# KiCad board ADHW.kicad_pcb (continued)
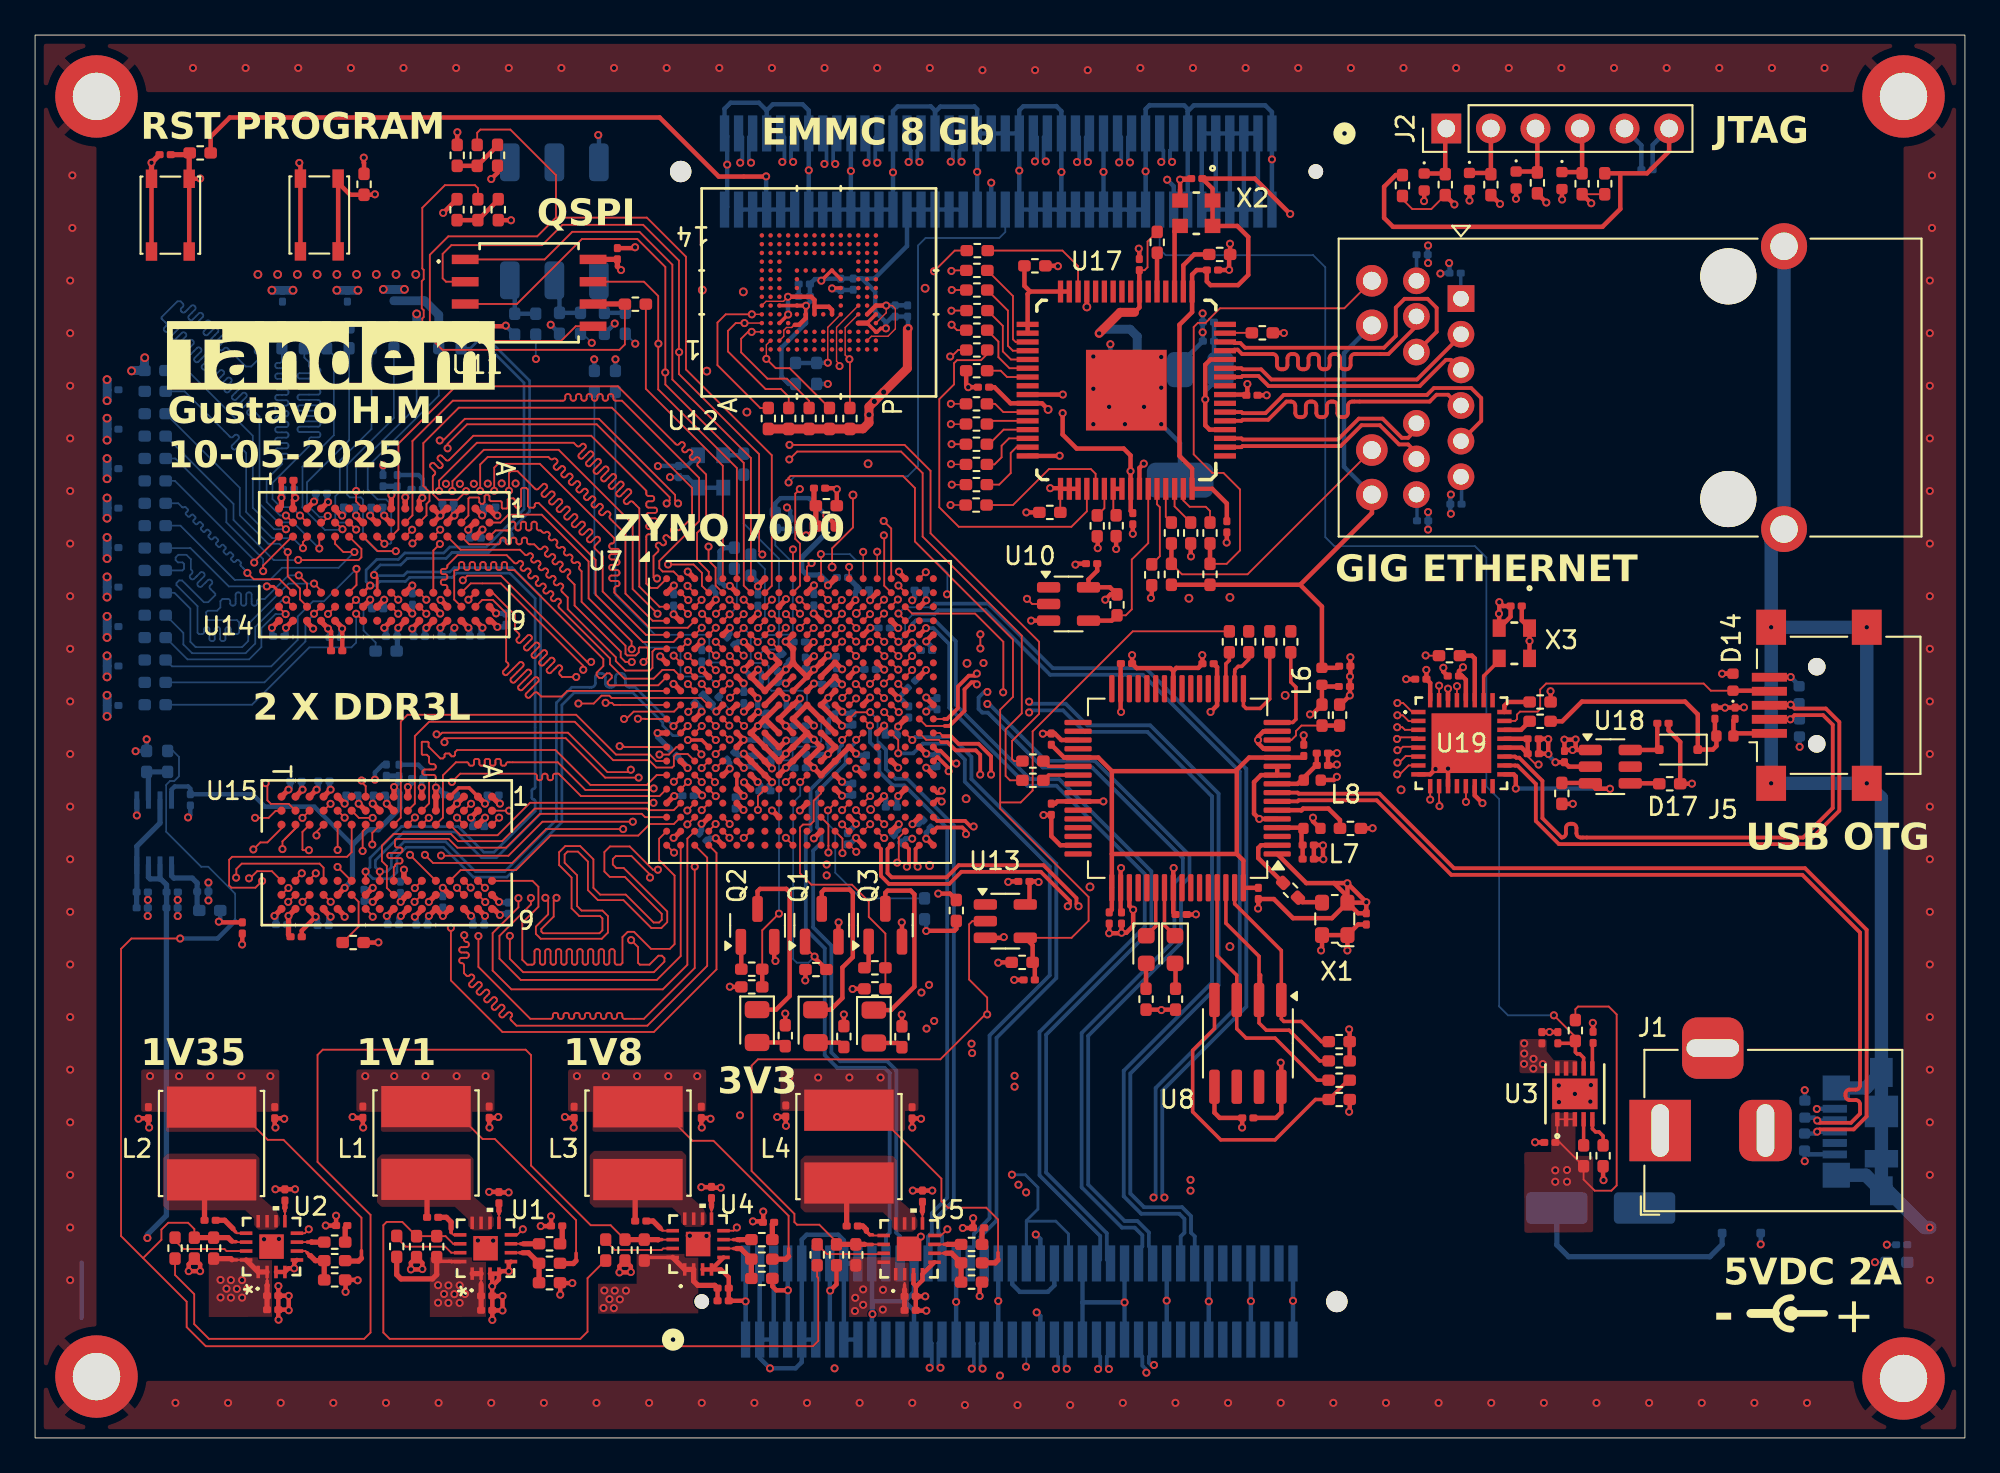
[diagram p0: board, top side]
## Routing (per net, layer and track width the routed paths; a pad name or vN(x,y) marks a point on that pad's centre or on a via; arc(x,y) is an arc through that point) (continued)
  In7.Cu w0.1: 16.89,30.53 v1(16.85,30.57) 16.85,31.88 16.63,32.1 16.63,32.71 16.07,33.27 16.07,33.71 15.17,34.61 14.92,34.61 14.17,35.36 13.63,35.36 12.15,36.84 12.15,40.33 15.44,43.62 15.44,46.53 15.9,46.99 v1(15.9,47)
  Bottom w0.1: R104.2 13.08,43.09 15.41,45.42 15.41,46.49 15.9,46.98 v1(15.9,47)
DDR_BA2: length 101.8
  Top w0.1: v1(39.59,43.02) 39.2,42.62 U7.J5
  Top w0.102: U14.M3 17.1,50.99 17.57,50.52 v1(18.2,50.52) ; v1(17.25,33.53) U15.M3
  In5.Cu w0.1: v1(39.59,43.02) 40.81,41.81 41.39,41.81 41.59,41.61 41.59,33.98 40.89,33.28 40.89,31.39 40.72,31.22 arc(40.63,31.18) 40.54,31.22 40.45,31.31 arc(40.37,31.35) 40.28,31.31 40.24,31.27 arc(40.2,31.18) 40.24,31.09 40.59,30.74 arc(40.63,30.65) 40.59,30.56 40.55,30.52 arc(40.46,30.49) 40.38,30.52 40.02,30.88 arc(39.93,30.91) 39.85,30.88 39.81,30.84 arc(39.77,30.75) 39.81,30.66 40.16,30.31 arc(40.2,30.22) 40.16,30.13 40.12,30.09 arc(40.03,30.05) 39.95,30.09 39.59,30.45 arc(39.5,30.48) 39.42,30.45 39.37,30.4 arc(39.34,30.32) 39.37,30.23 39.73,29.87 arc(39.77,29.79) 39.73,29.7 39.69,29.66 arc(39.6,29.62) 39.52,29.66 39.16,30.02 arc(39.07,30.05) 38.99,30.02 38.94,29.97 arc(38.91,29.89) 38.94,29.8 39.3,29.44 arc(39.34,29.36) 39.3,29.27 39.26,29.23 arc(39.17,29.19) 39.09,29.23 38.73,29.59 arc(38.64,29.62) 38.56,29.59 38.51,29.54 arc(38.48,29.46) 38.51,29.37 38.87,29.01 arc(38.91,28.93) 38.87,28.84 38.83,28.8 arc(38.74,28.76) 38.65,28.8 38.56,28.89 arc(38.48,28.93) 38.39,28.89 38.18,28.68 33.16,23.66 17.53,23.66 12.57,28.62 12.57,31.93 12.77,32.13 13.21,32.13 13.44,31.9 13.44,31.36 13.85,30.95 16.43,30.95 17.64,32.16 17.64,33.13 17.25,33.52 v1(17.25,33.53)
  In7.Cu w0.1: 18.3,50.52 v1(18.2,50.52) 18.52,50.52 21.1,47.94 21.1,41.1 17.24,37.24 17.24,36.67 17.12,36.55 16.64,36.55 16.34,36.25 16.34,35.68 17.25,34.77 v1(17.25,33.53)
  Bottom w0.1: R105.2 8.29,52.02 11.38,48.93 13.39,48.93 14.08,49.62 17.3,49.62 v1(18.2,50.52)
DDR_CK_N: length 90.4
  Top w0.102: U15.K7 18.85,31.77 18.84,31.78
  Top w0.153: U14.K7 18.7,48.21 v1(19.1,48.61) ; v1(18.84,32.3) 18.84,31.78 ; v1(37.2,40.6) U7.M2
  Bottom w0.153: v1(37.2,40.6) 36.65,40.05 36.35,40.05 35.78,40.62 35.78,40.79 34.08,42.49 30.72,42.49 30.03,41.8 30.03,35.12 26.89,31.98 24.98,31.98 23.28,33.68 21.16,33.68 20.62,33.14 20.62,32.26 20.25,31.89 19.27,31.89 18.86,32.3 v1(18.84,32.3) 19.09,32.54 19.09,33.07 20.89,34.87 24.11,34.87 25.58,33.4 26.16,33.4 28.5,35.74 28.5,36.32 arc(28.48,36.39) 28.41,36.41 arc(28.34,36.44) 28.31,36.51 28.31,36.92 arc(28.34,36.99) 28.41,37.01 arc(28.48,37.04) 28.5,37.11 28.5,47.88 27.06,49.32 24.02,49.32 23.77,49.07 21.34,49.07 21.11,48.84 19.65,48.84 19.42,48.61 v1(19.1,48.61) 18.87,48.84 18.87,49.49 19.48,50.1 20.71,50.1 21.08,50.47 23.3,50.47 23.64,50.81 25.72,50.81 27.87,52.96 27.87,60.17 25.45,62.58 25.26,62.58 24.82,62.14 R96.1
DDR_CK_P: length 91.1
  Top w0.102: U15.J7 19.64,31.78 19.65,31.79
  Top w0.153: U7.L2 v1(36.39,40.59) ; v1(19.65,32.3) 19.65,31.79 ; v1(19.32,49.21) 19.5,49.03 U14.J7
  Bottom w0.153: v1(36.39,40.59) 36.1,40.88 36.1,40.91 34.21,42.81 33.87,42.81 arc(33.71,42.87) 33.65,43.03 33.65,43.38 arc(33.58,43.54) 33.42,43.6 33.3,43.6 arc(33.14,43.54) 33.08,43.38 33.08,43.03 arc(33.01,42.87) 32.85,42.81 32.73,42.81 arc(32.57,42.87) 32.51,43.03 32.51,43.38 arc(32.44,43.54) 32.28,43.6 32.16,43.6 arc(32,43.54) 31.94,43.38 31.94,43.03 arc(31.87,42.87) 31.71,42.81 30.6,42.81 29.71,41.92 29.71,35.24 26.76,32.29 25.11,32.29 23.4,34 21.03,34 20.31,33.27 20.31,32.55 20.06,32.3 v1(19.65,32.3) 19.4,32.54 19.4,32.94 21.01,34.55 23.99,34.55 25.45,33.09 26.29,33.09 28.82,35.61 28.82,48 27.19,49.63 23.89,49.63 23.64,49.38 21.21,49.38 21.01,49.18 19.35,49.18 v1(19.32,49.21) 19.32,49.43 19.67,49.78 20.84,49.78 21.21,50.15 23.42,50.15 23.76,50.49 25.85,50.49 26.51,51.16 arc(26.63,51.21) 26.74,51.16 arc(26.86,51.11) 26.97,51.16 27.17,51.35 arc(27.21,51.47) 27.17,51.58 arc(27.12,51.7) 27.17,51.81 28.18,52.83 28.18,60.3 25.58,62.9 25.26,62.9 24.82,63.34 R96.2
DDR_CKE: length 87.3
  Top w0.1: v1(19.25,29.72) 19.25,29.77 U15.K9 ; 37.6,39.37 U7.N3 37.98,39.02 v1(37.98,38.98)
  Top w0.102: U14.K9 v1(18.3,47)
  In5.Cu w0.1: v1(19.25,29.72) 19.25,28.87 19.3,28.82 19.67,28.82 arc(19.75,28.86) 19.79,28.94 19.79,29.07 arc(19.83,29.16) 19.91,29.19 19.97,29.19 arc(20.06,29.16) 20.09,29.07 20.09,28.57 arc(20.13,28.48) 20.22,28.44 20.28,28.44 arc(20.36,28.48) 20.4,28.57 20.4,29.07 arc(20.44,29.16) 20.52,29.19 20.58,29.19 arc(20.67,29.16) 20.7,29.07 20.7,28.57 arc(20.74,28.48) 20.83,28.44 20.89,28.44 arc(20.97,28.48) 21.01,28.57 21.01,29.07 arc(21.04,29.16) 21.13,29.19 21.19,29.19 arc(21.28,29.16) 21.31,29.07 21.31,28.57 arc(21.35,28.48) 21.44,28.44 21.5,28.44 arc(21.58,28.48) 21.62,28.57 21.62,29.07 arc(21.65,29.16) 21.74,29.19 21.8,29.19 arc(21.89,29.16) 21.92,29.07 21.92,28.57 arc(21.96,28.48) 22.05,28.44 22.11,28.44 arc(22.19,28.48) 22.23,28.57 22.23,29.07 arc(22.26,29.16) 22.35,29.19 22.41,29.19 arc(22.5,29.16) 22.53,29.07 22.53,28.57 arc(22.57,28.48) 22.66,28.44 22.72,28.44 arc(22.8,28.48) 22.84,28.57 22.84,28.7 arc(22.87,28.78) 22.96,28.82 23.1,28.82 23.88,28.04 26.44,28.04 26.56,28.16 26.56,28.52 26.45,28.63 25.93,28.63 25.83,28.73 25.83,29.08 25.93,29.18 29.06,29.18 29.18,29.3 29.18,29.6 29.1,29.68 27.38,29.68 27.19,29.87 27.19,30.08 27.35,30.24 29.64,30.24 29.77,30.11 29.77,29.28 29.12,28.63 27.55,28.63 27.45,28.53 27.45,28.14 27.53,28.06 29.33,28.06 30.2,28.93 30.2,29.67 30.46,29.93 arc(30.5,30.02) 30.46,30.11 30.37,30.2 arc(30.34,30.28) 30.37,30.37 30.41,30.41 arc(30.5,30.45) 30.59,30.41 30.68,30.32 arc(30.77,30.29) 30.85,30.32 30.89,30.36 arc(30.93,30.45) 30.89,30.54 30.8,30.63 arc(30.77,30.72) 30.8,30.8 30.85,30.85 arc(30.93,30.88) 31.02,30.85 31.11,30.75 arc(31.2,30.72) 31.28,30.75 31.33,30.8 arc(31.36,30.88) 31.33,30.97 31.23,31.06 arc(31.2,31.15) 31.23,31.23 31.28,31.28 arc(31.36,31.31) 31.45,31.28 31.54,31.18 arc(31.63,31.15) 31.71,31.18 31.8,31.18 36.8,36.18 36.8,37.59 37.02,37.81 37.4,37.81 37.62,38.03 37.62,38.62 37.95,38.95 37.98,38.95 37.98,38.95 v1(37.98,38.98)
  In7.Cu w0.1: v1(18.3,47) 18.3,46.75 20.27,44.78 20.27,42.28 15.39,37.4 14.22,37.4 14.02,37.2 14.02,36.74 14.22,36.54 14.67,36.54 16.49,34.72 16.49,33.27 16.85,32.91 16.85,32.37 17.29,31.93 17.29,30.99 18.56,29.72 v1(19.25,29.72)
  Bottom w0.1: v1(18.3,47) 18.3,45.35 18.03,45.08 15.63,45.08 12.36,41.81 R98.2
DDR_DM0: length 36.6
  Top w0.102: U7.A1 35.47,48.47 35.09,48.47 34.84,48.72 34.84,51.41 arc(34.88,51.49) 34.96,51.53 35.33,51.53 arc(35.41,51.57) 35.45,51.65 35.45,51.71 arc(35.41,51.8) 35.33,51.83 34.96,51.83 arc(34.88,51.87) 34.84,51.96 34.84,52.02 arc(34.88,52.1) 34.96,52.14 35.33,52.14 arc(35.41,52.18) 35.45,52.26 35.45,52.32 arc(35.41,52.41) 35.33,52.44 34.96,52.44 arc(34.88,52.48) 34.84,52.57 34.84,52.63 arc(34.88,52.71) 34.96,52.75 35.33,52.75 arc(35.41,52.78) 35.45,52.87 35.45,52.93 arc(35.41,53.02) 35.33,53.05 34.96,53.05 arc(34.88,53.09) 34.84,53.18 34.84,53.29 arc(34.88,53.38) 34.96,53.41 35.17,53.41 arc(35.25,53.45) 35.29,53.53 35.29,53.59 arc(35.25,53.68) 35.17,53.72 34.96,53.72 arc(34.88,53.75) 34.84,53.84 34.84,54.01 31.7,57.15 24.98,57.15 23.59,55.76 arc(23.51,55.73) 23.42,55.76 23.18,56 arc(23.1,56.04) 23.01,56 22.97,55.96 arc(22.93,55.87) 22.97,55.79 23.21,55.55 arc(23.24,55.46) 23.21,55.38 23.16,55.33 arc(23.08,55.3) 22.99,55.33 22.75,55.57 arc(22.67,55.61) 22.58,55.57 22.54,55.53 arc(22.5,55.44) 22.54,55.36 22.78,55.12 arc(22.81,55.03) 22.78,54.95 22.67,54.84 22.67,53.83 23,53.5 24.08,53.5 v1(24.57,53.99) ; U14.E7 22.7,50.61 v1(23.07,50.98) 23.08,50.98
  In3.Cu w0.102: v1(23.07,50.98) 23.08,50.98 23.31,51.21 23.31,51.21 23.69,51.59 23.69,51.59 24.55,52.45 24.55,53.97 v1(24.57,53.99)
DDR_DM1: length 19.3
  Top w0.102: U7.F1 35.35,45 35.19,44.84 35.19,43.91 35.04,43.76 33.64,43.76 33.1,44.3 33.1,44.52 30.36,47.26 30.36,47.93 30.03,48.26 arc(29.99,48.35) 30.03,48.44 30.07,48.48 arc(30.11,48.57) 30.07,48.65 30.03,48.7 arc(29.94,48.73) 29.86,48.7 29.81,48.65 arc(29.73,48.62) 29.64,48.65 29.6,48.69 arc(29.56,48.78) 29.6,48.87 29.64,48.91 arc(29.68,49) 29.64,49.09 29.6,49.13 arc(29.51,49.16) 29.43,49.13 29.38,49.08 arc(29.29,49.05) 29.21,49.08 29.16,49.13 arc(29.13,49.21) 29.16,49.3 29.21,49.34 arc(29.25,49.43) 29.21,49.52 29.17,49.56 arc(29.08,49.6) 29,49.56 28.95,49.51 arc(28.86,49.48) 28.78,49.51 28.73,49.56 arc(28.7,49.64) 28.73,49.73 28.78,49.78 arc(28.82,49.86) 28.78,49.95 28.74,49.99 arc(28.65,50.03) 28.56,49.99 28.52,49.94 arc(28.43,49.91) 28.35,49.94 28.3,49.99 arc(28.27,50.07) 28.3,50.16 28.35,50.21 arc(28.39,50.29) 28.35,50.38 28.31,50.42 arc(28.22,50.46) 28.13,50.42 28.09,50.38 arc(28,50.34) 27.91,50.38 27.64,50.65 24.25,50.65 U14.D3
DDR_DM2: length 21.5
  Top w0.102: U7.T1 35.99,37 35.59,36.6 31.12,36.6 29.84,37.88 29.64,37.88 arc(29.55,37.84) 29.52,37.76 29.52,37.63 arc(29.48,37.54) 29.39,37.5 29.33,37.5 arc(29.25,37.54) 29.21,37.63 29.21,37.76 arc(29.18,37.84) 29.09,37.88 29.03,37.88 arc(28.94,37.84) 28.91,37.76 28.91,37.63 arc(28.87,37.54) 28.78,37.5 28.72,37.5 arc(28.64,37.54) 28.6,37.63 28.6,37.76 arc(28.57,37.84) 28.48,37.88 24.23,37.88 v1(23.76,37.41) ; U15.E7 21.37,33.24 v1(21.37,33.25)
  In3.Cu w0.102: v1(23.76,37.41) 23.24,36.89 23.24,35.39 21.37,33.52 v1(21.37,33.25)
DDR_DM3: length 36.2
  Top w0.102: v1(35.25,36.22) 28.21,36.22 26.36,34.37 24.25,34.37 U15.D3 ; U7.Y1 v1(36.42,33.38)
  In3.Cu w0.102: v1(35.25,36.22) 33.63,36.22 arc(33.54,36.26) 33.51,36.34 33.51,36.41 arc(33.47,36.49) 33.38,36.53 33.32,36.53 arc(33.24,36.49) 33.2,36.41 33.2,36.03 arc(33.17,35.95) 33.08,35.91 33.02,35.91 arc(32.93,35.95) 32.9,36.03 32.9,36.41 arc(32.86,36.49) 32.77,36.53 32.71,36.53 arc(32.63,36.49) 32.59,36.41 32.59,36.03 arc(32.56,35.95) 32.47,35.91 32.41,35.91 arc(32.32,35.95) 32.29,36.03 32.29,36.41 arc(32.25,36.49) 32.17,36.53 32.1,36.53 arc(32.02,36.49) 31.98,36.41 31.98,36.03 arc(31.95,35.95) 31.86,35.91 31.8,35.91 arc(31.71,35.95) 31.68,36.03 31.68,36.41 arc(31.64,36.49) 31.56,36.53 31.49,36.53 arc(31.41,36.49) 31.37,36.41 31.37,36.03 arc(31.34,35.95) 31.25,35.91 31.19,35.91 arc(31.1,35.95) 31.07,36.03 31.07,36.1 arc(31.03,36.18) 30.95,36.22 30.65,36.22 30.57,36.14 30.57,35.79 arc(30.53,35.7) 30.45,35.66 30.38,35.66 arc(30.3,35.63) 30.26,35.54 30.26,35.48 arc(30.3,35.39) 30.38,35.36 30.76,35.36 arc(30.84,35.32) 30.88,35.24 30.88,35.18 arc(30.84,35.09) 30.76,35.05 30.38,35.05 arc(30.3,35.02) 30.26,34.93 30.26,34.87 arc(30.3,34.78) 30.38,34.75 30.76,34.75 arc(30.84,34.71) 30.88,34.63 30.88,34.57 arc(30.84,34.48) 30.76,34.44 30.69,34.44 arc(30.61,34.41) 30.57,34.32 30.57,33.9 30.68,33.79 arc(30.77,33.75) 30.8,33.67 30.8,33.6 arc(30.84,33.52) 30.92,33.48 30.98,33.48 arc(31.07,33.52) 31.11,33.6 31.11,33.98 arc(31.14,34.06) 31.23,34.1 31.29,34.1 arc(31.38,34.06) 31.41,33.98 31.41,33.6 arc(31.45,33.52) 31.53,33.48 31.59,33.48 arc(31.68,33.52) 31.72,33.6 31.72,33.98 arc(31.75,34.06) 31.84,34.1 31.9,34.1 arc(31.99,34.06) 32.02,33.98 32.02,33.6 arc(32.06,33.52) 32.14,33.48 32.2,33.48 arc(32.29,33.52) 32.33,33.6 32.33,33.98 arc(32.36,34.06) 32.45,34.1 32.51,34.1 arc(32.6,34.06) 32.63,33.98 32.63,33.6 arc(32.67,33.52) 32.75,33.48 32.81,33.48 arc(32.9,33.52) 32.94,33.6 32.94,33.98 arc(32.97,34.06) 33.06,34.1 33.12,34.1 arc(33.2,34.06) 33.24,33.98 33.24,33.91 arc(33.28,33.83) 33.36,33.79 36.01,33.79 v1(36.42,33.38)
DDR_DQ0: length 33.1
  Top w0.102: U7.C1 35.59,47.4 34.44,48.55 34.44,53.01 34.07,53.38 arc(33.98,53.42) 33.9,53.38 33.8,53.28 arc(33.72,53.25) 33.63,53.28 33.59,53.33 arc(33.55,53.41) 33.59,53.5 33.95,53.86 arc(33.99,53.95) 33.95,54.04 33.91,54.08 arc(33.82,54.12) 33.74,54.08 33.37,53.71 arc(33.28,53.68) 33.2,53.71 33.15,53.76 arc(33.12,53.84) 33.15,53.93 33.52,54.3 arc(33.56,54.38) 33.52,54.47 33.48,54.51 arc(33.39,54.55) 33.3,54.51 32.94,54.15 arc(32.85,54.11) 32.77,54.15 32.72,54.19 arc(32.69,54.27) 32.72,54.36 33.09,54.73 arc(33.12,54.81) 33.09,54.9 33.05,54.94 arc(32.96,54.98) 32.87,54.94 32.51,54.58 arc(32.42,54.54) 32.34,54.58 32.29,54.62 arc(32.26,54.71) 32.29,54.79 32.66,55.16 arc(32.69,55.24) 32.66,55.33 32.61,55.37 arc(32.53,55.41) 32.44,55.37 32.08,55.01 arc(31.99,54.97) 31.9,55.01 31.86,55.05 arc(31.83,55.14) 31.86,55.22 32.23,55.59 arc(32.26,55.67) 32.23,55.76 32.18,55.8 arc(32.1,55.84) 32.01,55.8 31.65,55.44 arc(31.56,55.4) 31.47,55.44 31.43,55.48 arc(31.4,55.57) 31.43,55.65 31.8,56.02 arc(31.83,56.11) 31.8,56.19 31.75,56.23 arc(31.67,56.27) 31.58,56.23 31.22,55.87 arc(31.13,55.83) 31.04,55.87 31,55.91 arc(30.96,56) 31,56.09 31.36,56.45 arc(31.4,56.54) 31.36,56.62 31.32,56.67 arc(31.24,56.7) 31.15,56.67 31.05,56.57 arc(30.97,56.53) 30.88,56.57 30.7,56.75 25.18,56.75 23.03,54.6 v1(23.03,54) ; U14.E3 v1(23.09,51.79)
  In3.Cu w0.102: v1(23.09,51.79) 22.7,52.18 22.7,53.67 v1(23.03,54)
DDR_DQ1: length 32.5
  Top w0.102: U7.E1 34.82,45.8 32.35,48.27 32.35,50.28 31.91,50.72 arc(31.88,50.8) 31.91,50.89 32.17,51.15 arc(32.21,51.23) 32.17,51.32 32.13,51.36 arc(32.04,51.4) 31.96,51.36 31.7,51.1 arc(31.61,51.07) 31.53,51.1 31.48,51.15 arc(31.45,51.23) 31.48,51.32 31.74,51.58 arc(31.78,51.66) 31.74,51.75 31.7,51.79 arc(31.61,51.83) 31.53,51.79 31.27,51.53 arc(31.18,51.5) 31.1,51.53 31.05,51.58 arc(31.02,51.66) 31.05,51.75 31.31,52.01 arc(31.35,52.1) 31.31,52.18 31.27,52.22 arc(31.18,52.26) 31.1,52.22 30.84,51.97 arc(30.75,51.93) 30.66,51.97 30.62,52.01 arc(30.59,52.1) 30.62,52.18 30.88,52.44 arc(30.92,52.53) 30.88,52.61 30.84,52.66 arc(30.75,52.69) 30.66,52.66 30.41,52.4 arc(30.32,52.36) 30.23,52.4 30.19,52.44 arc(30.15,52.53) 30.19,52.61 30.45,52.87 arc(30.48,52.96) 30.45,53.04 30.41,53.09 arc(30.32,53.12) 30.23,53.09 29.97,52.83 arc(29.89,52.79) 29.8,52.83 29.76,52.87 arc(29.72,52.96) 29.76,53.04 30.02,53.3 arc(30.05,53.39) 30.02,53.47 29.97,53.52 arc(29.89,53.55) 29.8,53.52 29.54,53.26 arc(29.46,53.22) 29.37,53.26 29.33,53.3 arc(29.29,53.39) 29.33,53.47 29.59,53.73 arc(29.62,53.82) 29.59,53.91 29.54,53.95 arc(29.46,53.98) 29.37,53.95 29.11,53.69 arc(29.03,53.65) 28.94,53.69 28.9,53.73 arc(28.86,53.82) 28.9,53.91 29.16,54.16 arc(29.19,54.25) 29.16,54.34 29.11,54.38 arc(29.03,54.42) 28.94,54.38 28.68,54.12 arc(28.6,54.09) 28.51,54.12 27.5,55.13 27.12,55.13 27.01,55.02 v1(27.01,54.01) ; U14.F7 v1(22.3,47.8)
  In3.Cu w0.102: v1(27.01,54.01) 27.01,51.78 25.28,50.05 24.28,50.05 22.3,48.07 v1(22.3,47.8)
DDR_DQ2: length 33.3
  Top w0.102: v1(37.19,48.59) 37.58,48.2 U7.B3 ; U14.F2 22.31,52.61 22.31,53.26 22.48,53.43 22.48,53.94 22.13,54.29 22.13,56.73 24.15,58.75 32.88,58.75 37.45,54.18 37.45,52.49 36.75,51.79 arc(36.67,51.76) 36.58,51.79 36.49,51.89 arc(36.4,51.92) 36.32,51.89 36.27,51.84 arc(36.24,51.76) 36.27,51.67 36.36,51.58 arc(36.4,51.49) 36.36,51.4 36.32,51.36 arc(36.24,51.33) 36.15,51.36 36.06,51.45 arc(35.97,51.49) 35.88,51.45 35.84,51.41 arc(35.81,51.33) 35.84,51.24 35.93,51.15 arc(35.97,51.06) 35.93,50.97 35.89,50.93 arc(35.8,50.89) 35.72,50.93 35.63,51.02 arc(35.54,51.06) 35.45,51.02 35.41,50.98 arc(35.37,50.89) 35.41,50.81 35.5,50.72 arc(35.54,50.63) 35.5,50.54 35.25,50.29 35.25,49.06 35.3,49.01 v1(35.45,49.01)
  In3.Cu w0.102: v1(37.19,48.59) 36.77,49.01 v1(35.45,49.01)
DDR_DQ3: length 32.5
  Top w0.102: U14.F8 v1(22.3,47) ; v1(26.17,54.01) 26.17,55.33 26.39,55.55 28.77,55.55 33.02,51.3 33.02,51.13 arc(32.98,51.04) 32.9,51.01 32.85,51.01 arc(32.77,50.97) 32.73,50.89 32.73,50.83 arc(32.77,50.74) 32.85,50.7 33.19,50.7 arc(33.27,50.67) 33.31,50.58 33.31,50.52 arc(33.27,50.43) 33.19,50.4 32.85,50.4 arc(32.77,50.36) 32.73,50.28 32.73,50.22 arc(32.77,50.13) 32.85,50.09 33.19,50.09 arc(33.27,50.06) 33.31,49.97 33.31,49.91 arc(33.27,49.83) 33.19,49.79 32.85,49.79 arc(32.77,49.75) 32.73,49.67 32.73,49.61 arc(32.77,49.52) 32.85,49.48 33.19,49.48 arc(33.27,49.45) 33.31,49.36 33.31,49.3 arc(33.27,49.22) 33.19,49.18 32.85,49.18 arc(32.77,49.14) 32.73,49.06 32.73,49 arc(32.77,48.91) 32.85,48.88 33.19,48.88 arc(33.27,48.84) 33.31,48.75 33.31,48.69 arc(33.27,48.61) 33.19,48.57 33.14,48.57 arc(33.06,48.53) 33.02,48.45 33.02,48.2 35.02,46.2 37.2,46.2 U7.D3
  In3.Cu w0.102: v1(26.17,54.01) 25.91,53.75 25.91,51.37 25,50.46 24.09,50.46 21.88,48.25 21.88,47.42 v1(22.3,47)
DDR_DQ4: length 34.5
  Top w0.102: U7.A4 38.4,49.39 37.73,50.06 37.73,51.61 38.25,52.13 38.25,54.94 37.77,55.42 arc(37.74,55.5) 37.77,55.59 37.87,55.68 arc(37.9,55.77) 37.87,55.85 37.82,55.9 arc(37.74,55.93) 37.65,55.9 37.56,55.8 arc(37.47,55.77) 37.39,55.8 37.34,55.85 arc(37.31,55.93) 37.34,56.02 37.44,56.11 arc(37.47,56.2) 37.44,56.28 37.39,56.33 arc(37.31,56.36) 37.22,56.33 37.13,56.23 arc(37.04,56.2) 36.96,56.23 36.91,56.28 arc(36.88,56.36) 36.91,56.45 37.01,56.54 arc(37.04,56.63) 37.01,56.72 36.96,56.76 arc(36.88,56.79) 36.79,56.76 36.7,56.67 arc(36.61,56.63) 36.52,56.67 33.22,59.97 23.98,59.97 20.71,56.7 20.71,51.81 U14.H3
DDR_DQ5: length 37.3
  Top w0.102: v1(23.78,54) 23.79,54.01 23.79,54.56 25.58,56.35 29.84,56.35 34.06,52.13 34.06,48.41 35.47,47 35.47,46.99 v1(35.48,47) ; U7.C3 v1(37.99,47.79) ; U14.H8 v1(20.7,47)
  In3.Cu w0.102: v1(20.7,47) U14.H8 20.3,48.97 22.72,51.39 23.24,51.39 23.51,51.66 23.51,53.73 v1(23.78,54) ; v1(35.48,47) 35.48,48.12 34.95,48.65 34.95,49.5 35.75,50.3 37.4,50.3 37.99,49.71 v1(37.99,47.79)
DDR_DQ6: length 34.2
  Top w0.102: U7.A2 36.39,49.41 35.77,49.41 35.58,49.6 35.58,50.01 37.85,52.28 37.85,54.75 33.45,59.15 33.08,59.15 arc(33,59.19) 32.96,59.27 32.96,59.4 arc(32.93,59.49) 32.84,59.52 32.78,59.52 arc(32.69,59.49) 32.66,59.4 32.66,59.27 arc(32.62,59.19) 32.54,59.15 32.48,59.15 arc(32.39,59.19) 32.35,59.27 32.35,59.4 arc(32.32,59.49) 32.23,59.52 32.17,59.52 arc(32.08,59.49) 32.05,59.4 32.05,59.27 arc(32.01,59.19) 31.93,59.15 31.87,59.15 arc(31.78,59.19) 31.74,59.27 31.74,59.4 arc(31.71,59.49) 31.62,59.52 31.56,59.52 arc(31.47,59.49) 31.44,59.4 31.44,59.27 arc(31.4,59.19) 31.32,59.15 31.26,59.15 arc(31.17,59.19) 31.13,59.27 31.13,59.4 arc(31.1,59.49) 31.01,59.52 30.95,59.52 arc(30.86,59.49) 30.83,59.4 30.83,59.27 arc(30.79,59.19) 30.71,59.15 30.65,59.15 arc(30.56,59.19) 30.52,59.27 30.52,59.4 arc(30.49,59.49) 30.4,59.52 30.34,59.52 arc(30.26,59.49) 30.22,59.4 30.22,59.27 arc(30.18,59.19) 30.1,59.15 23.81,59.15 21.51,56.85 21.51,52.61 U14.G2
DDR_DQ7: length 33.2
  Top w0.102: v1(25.37,54) 25.37,55.51 25.8,55.94 29.26,55.94 29.37,55.83 arc(29.45,55.79) 29.53,55.83 arc(29.62,55.86) 29.7,55.83 29.75,55.77 arc(29.78,55.69) 29.75,55.61 29.59,55.45 arc(29.55,55.37) 29.59,55.29 29.64,55.23 arc(29.72,55.2) 29.8,55.23 29.97,55.4 arc(30.05,55.43) 30.13,55.4 30.18,55.34 arc(30.22,55.26) 30.18,55.18 30.02,55.02 arc(29.99,54.94) 30.02,54.86 30.07,54.8 arc(30.15,54.77) 30.23,54.8 30.4,54.97 arc(30.48,55) 30.56,54.97 30.61,54.91 arc(30.65,54.83) 30.61,54.75 30.45,54.59 arc(30.42,54.51) 30.45,54.42 30.5,54.37 arc(30.58,54.34) 30.67,54.37 30.83,54.53 arc(30.91,54.57) 30.99,54.53 31.04,54.48 arc(31.08,54.4) 31.04,54.32 30.88,54.16 arc(30.85,54.08) 30.88,53.99 30.93,53.94 arc(31.02,53.91) 31.1,53.94 31.26,54.1 arc(31.34,54.14) 31.42,54.1 31.47,54.05 arc(31.51,53.97) 31.47,53.89 31.31,53.73 arc(31.28,53.64) 31.31,53.56 31.36,53.51 arc(31.45,53.48) 31.53,53.51 31.69,53.67 arc(31.77,53.71) 31.85,53.67 31.91,53.62 arc(31.94,53.54) 31.91,53.46 31.74,53.29 arc(31.71,53.21) 31.74,53.13 31.8,53.08 arc(31.88,53.05) 31.96,53.08 32.12,53.24 arc(32.2,53.28) 32.28,53.24 32.34,53.19 arc(32.37,53.11) 32.34,53.03 32.17,52.86 arc(32.14,52.78) 32.17,52.7 32.23,52.65 arc(32.31,52.61) 32.39,52.65 32.55,52.81 arc(32.63,52.84) 32.71,52.81 32.77,52.76 arc(32.8,52.68) 32.77,52.59 arc(32.73,52.51) 32.77,52.43 33.65,51.55 33.65,48.15 35.2,46.6 U7.D1 ; U14.H7 v1(20.7,47.8)
  In3.Cu w0.102: v1(25.37,54) 25.09,53.72 25.09,51.31 24.63,50.85 23.91,50.85 22.19,49.13 21.14,49.13 20.7,48.69 v1(20.7,47.8)
DDR_DQ8: length 22.7
  Top w0.102: U14.D7 23.5,48.52 arc(23.46,48.61) 23.38,48.65 23.25,48.65 arc(23.16,48.68) 23.12,48.77 23.12,48.83 arc(23.16,48.91) 23.25,48.95 23.38,48.95 arc(23.46,48.99) 23.5,49.07 23.5,49.13 arc(23.46,49.22) 23.38,49.26 23.25,49.26 arc(23.16,49.29) 23.12,49.38 23.12,49.44 arc(23.16,49.52) 23.25,49.56 23.38,49.56 arc(23.46,49.6) 23.5,49.68 23.5,49.76 24.08,50.34 26.88,50.34 27.32,49.9 arc(27.4,49.87) 27.49,49.9 27.57,49.99 arc(27.66,50.02) 27.74,49.99 27.79,49.94 arc(27.82,49.86) 27.79,49.77 27.7,49.69 arc(27.67,49.6) 27.7,49.52 27.75,49.47 arc(27.83,49.44) 27.92,49.47 28,49.55 arc(28.09,49.59) 28.17,49.55 28.22,49.51 arc(28.25,49.42) 28.22,49.34 28.14,49.26 arc(28.1,49.17) 28.14,49.08 28.18,49.04 arc(28.27,49.01) 28.35,49.04 28.43,49.12 arc(28.52,49.16) 28.61,49.12 28.65,49.08 arc(28.68,48.99) 28.65,48.91 28.57,48.83 arc(28.53,48.74) 28.57,48.65 28.61,48.61 arc(28.7,48.57) 28.78,48.61 28.86,48.69 arc(28.95,48.73) 29.04,48.69 29.08,48.65 arc(29.12,48.56) 29.08,48.48 29,48.39 arc(28.96,48.31) 29,48.22 29.04,48.18 arc(29.13,48.14) 29.21,48.18 29.3,48.26 arc(29.38,48.3) 29.47,48.26 29.51,48.22 arc(29.55,48.13) 29.51,48.05 29.43,47.96 arc(29.39,47.88) 29.43,47.79 29.47,47.75 arc(29.56,47.71) 29.64,47.75 29.73,47.83 arc(29.81,47.87) 29.9,47.83 29.94,47.79 arc(29.98,47.7) 29.94,47.61 29.86,47.53 arc(29.82,47.45) 29.86,47.36 32.77,44.45 32.77,44.12 33.59,43.3 35.26,43.3 35.76,43.8 36.4,43.8 U7.H2
DDR_DQ9: length 21.7
  Top w0.102: v1(37.2,44.59) 37.21,44.59 U7.G3 ; v1(34.01,44.25) 33.65,44.25 33.38,44.52 33.38,44.84 30.75,47.47 30.75,48.66 30.38,49.03 arc(30.35,49.11) 30.38,49.2 30.48,49.3 arc(30.51,49.38) 30.48,49.47 30.44,49.51 arc(30.35,49.55) 30.26,49.51 30.17,49.42 arc(30.08,49.38) 29.99,49.42 29.95,49.46 arc(29.92,49.55) 29.95,49.63 30.05,49.73 arc(30.08,49.81) 30.05,49.9 30,49.94 arc(29.92,49.98) 29.83,49.94 29.74,49.85 arc(29.65,49.81) 29.56,49.85 29.52,49.89 arc(29.48,49.98) 29.52,50.06 29.62,50.16 arc(29.65,50.25) 29.62,50.33 29.57,50.37 arc(29.49,50.41) 29.4,50.37 29.3,50.28 arc(29.22,50.24) 29.13,50.28 29.09,50.32 arc(29.05,50.41) 29.09,50.49 29.19,50.59 arc(29.22,50.68) 29.19,50.76 29.14,50.81 arc(29.06,50.84) 28.97,50.81 28.87,50.71 arc(28.79,50.67) 28.7,50.71 28.45,50.96 28.17,50.96 arc(28.08,51) 28.05,51.08 28.05,51.22 arc(28.01,51.3) 27.92,51.34 27.86,51.34 arc(27.78,51.3) 27.74,51.22 27.74,51.08 arc(27.71,51) 27.62,50.96 27.56,50.96 arc(27.47,51) 27.44,51.08 27.44,51.22 arc(27.4,51.3) 27.31,51.34 27.25,51.34 arc(27.17,51.3) 27.13,51.22 27.13,51.08 arc(27.1,51) 27.01,50.96 26.95,50.96 arc(26.86,51) 26.83,51.08 26.83,51.22 arc(26.79,51.3) 26.7,51.34 26.64,51.34 arc(26.56,51.3) 26.52,51.22 26.52,51.08 arc(26.49,51) 26.4,50.96 24.74,50.96 U14.C3
  In3.Cu w0.102: v1(37.2,44.59) 36.77,44.16 35.4,44.16 34.88,44.68 34.44,44.68 v1(34.01,44.25)
DDR_DQ10: length 22.7
  Top w0.102: U14.C8 23.89,47.81 23.89,49.44 23.94,49.49 24.04,49.49 arc(24.12,49.53) 24.16,49.61 24.16,49.83 arc(24.19,49.91) 24.28,49.95 24.34,49.95 arc(24.43,49.91) 24.46,49.83 24.46,49.61 arc(24.5,49.53) 24.59,49.49 24.65,49.49 arc(24.73,49.53) 24.77,49.61 24.77,49.83 arc(24.8,49.91) 24.89,49.95 24.95,49.95 arc(25.04,49.91) 25.07,49.83 25.07,49.61 arc(25.11,49.53) 25.2,49.49 25.26,49.49 arc(25.34,49.53) 25.38,49.61 25.38,49.83 arc(25.41,49.91) 25.5,49.95 25.56,49.95 arc(25.65,49.91) 25.68,49.83 25.68,49.61 arc(25.72,49.53) 25.8,49.49 25.87,49.49 arc(25.95,49.53) 25.99,49.61 25.99,49.83 arc(26.02,49.91) 26.11,49.95 26.17,49.95 arc(26.26,49.91) 26.29,49.83 26.29,49.61 arc(26.33,49.53) 26.41,49.49 26.48,49.49 arc(26.56,49.53) 26.6,49.61 26.6,49.83 arc(26.63,49.91) 26.72,49.95 26.78,49.95 arc(26.87,49.91) 26.9,49.83 26.9,49.61 arc(26.94,49.53) 27.02,49.49 27.32,49.49 32.39,44.42 32.39,44.02 32.01,43.64 32.01,43.49 32.16,43.34 32.33,43.34 32.58,43.6 32.75,43.6 32.87,43.48 32.87,43.35 32.64,43.12 32.64,43.01 32.73,42.92 35.52,42.92 U7.H1
